# Altium PCB NFC_EEG.PcbDoc (part 1 of 3) (continued)
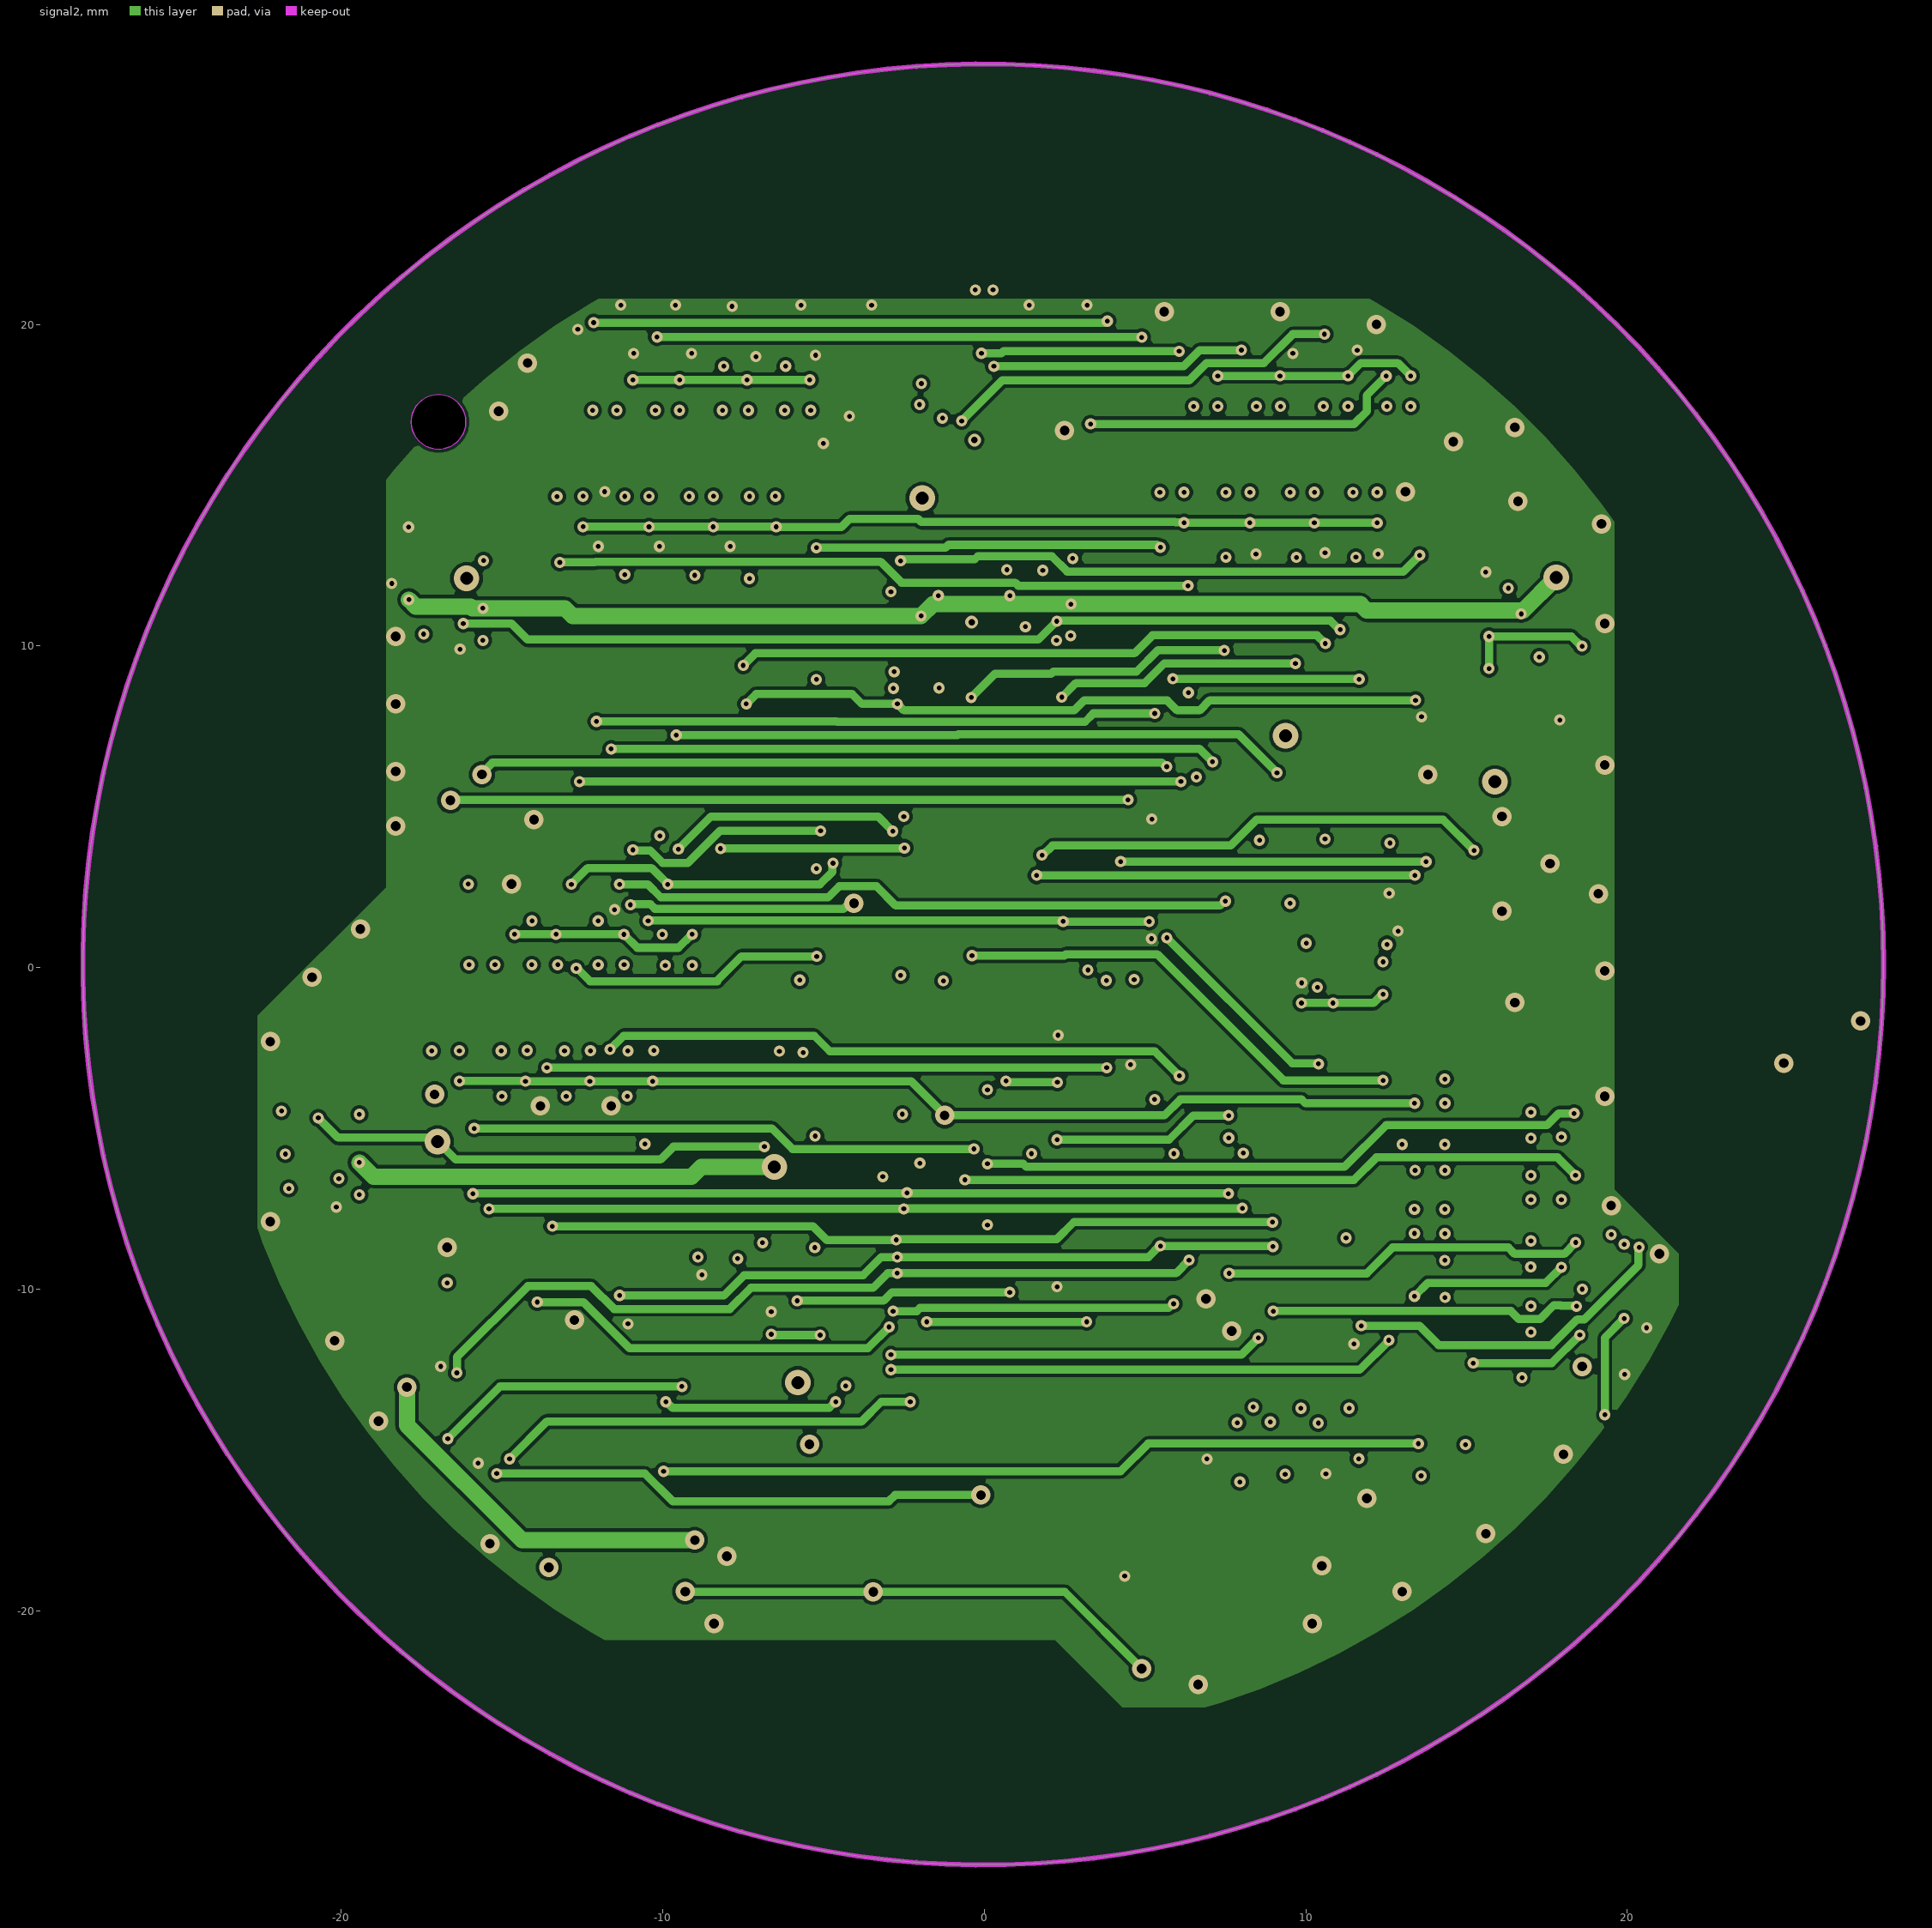
[diagram p3: signal2]
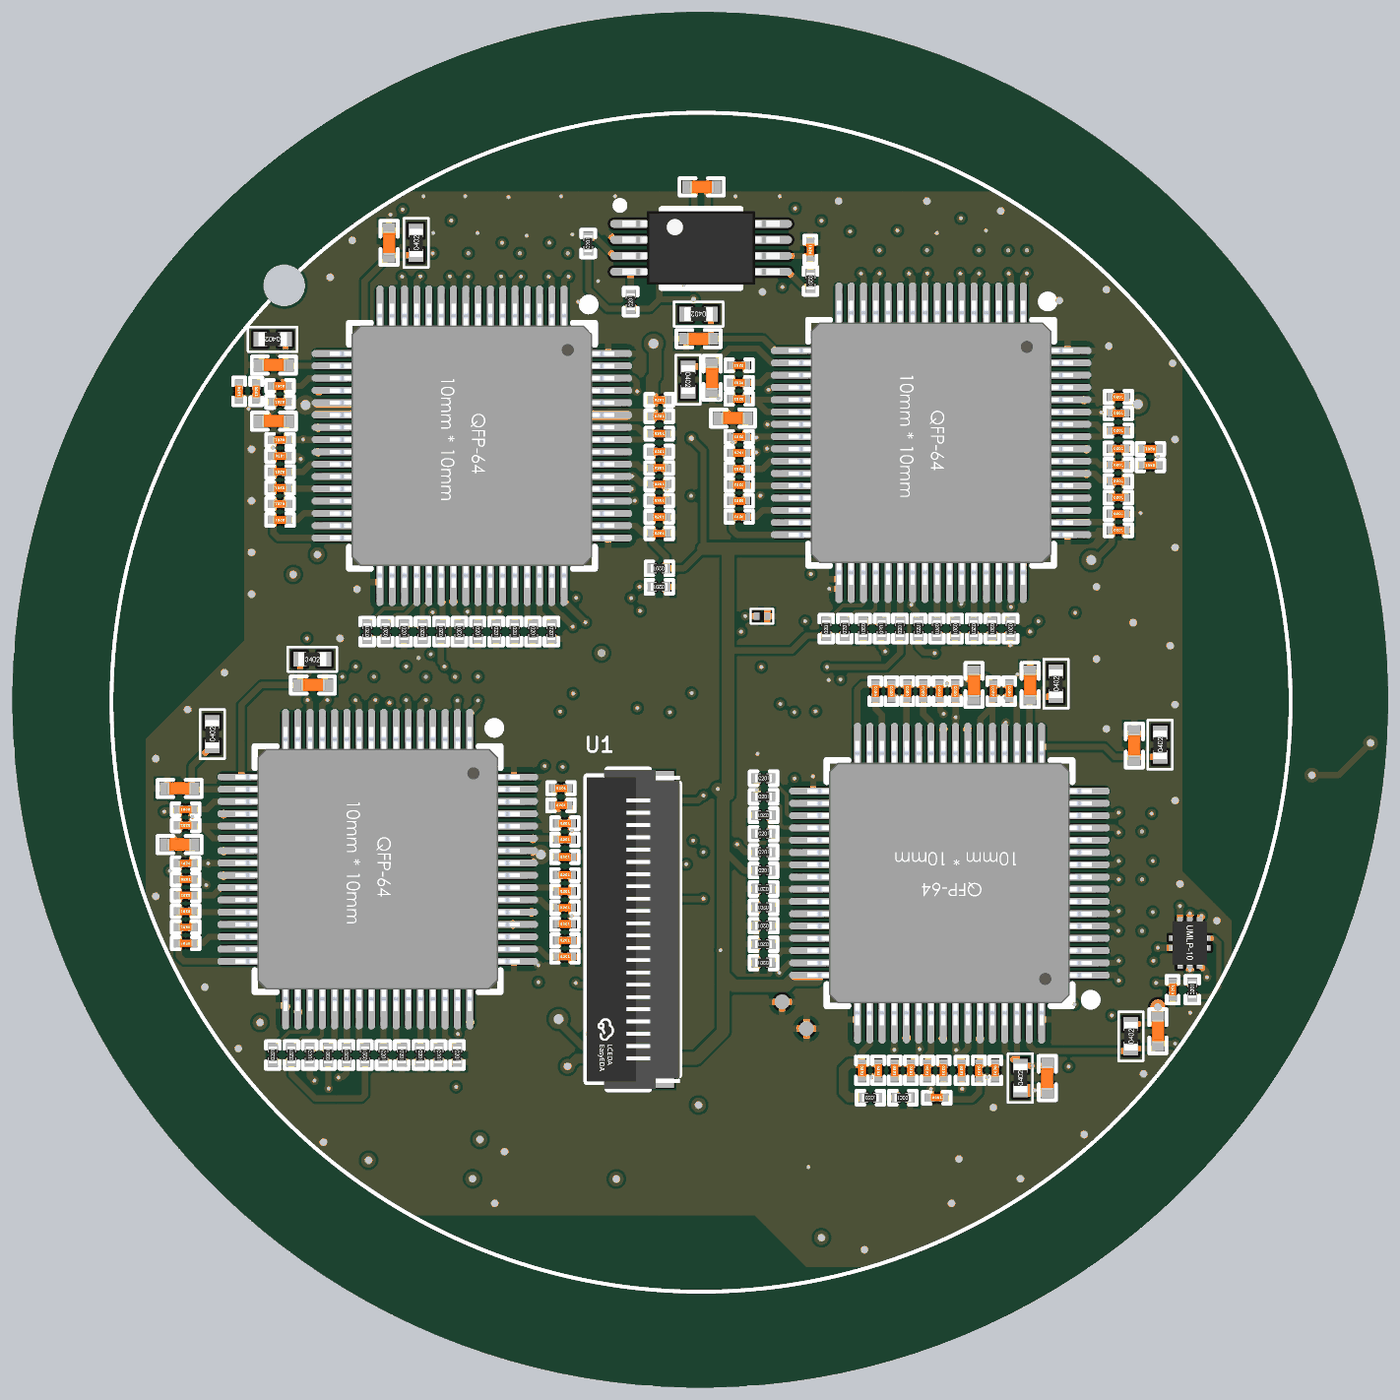
[diagram p6: 3D render of the assembled board from above, using the file's embedded part models]
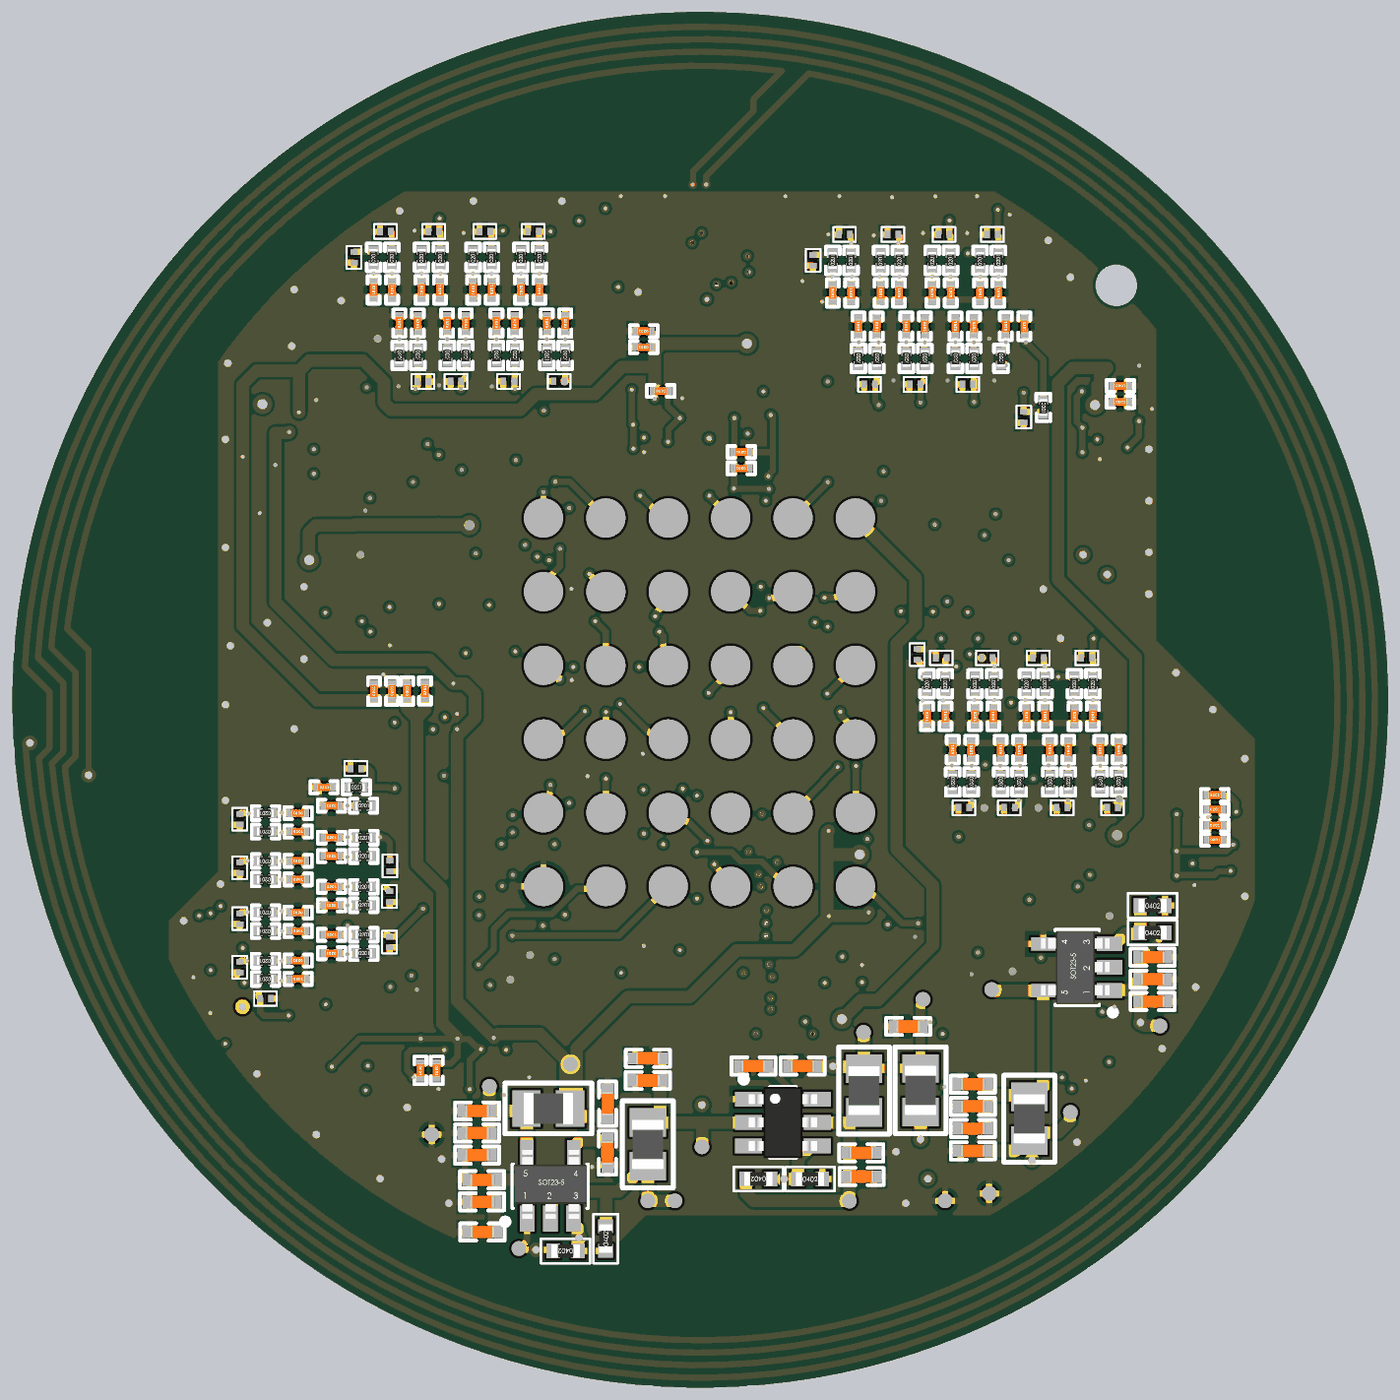
[diagram p7: 3D render of the assembled board from below, using the file's embedded part models]

## Layer stack, top to bottom
Top Solder: solder mask 0.0102, Solder Resist, Dk 3.5
Top Layer: signal copper 0.035
Dielectric 2: prepreg 0.0711, PP-006, Dk 4.1
signal1: signal copper 0.0356
Dielectric 1: dielectric 0.497, FR-4, Dk 4.8
signal2: signal copper 0.0356
Dielectric 3: prepreg 0.0711, PP-006, Dk 4.1
Bottom Layer: signal copper 0.035
Bottom Solder: solder mask 0.0102, Solder Resist, Dk 3.5

## Board outline
-28.032,0.1 ccw(c-0.032,0.1) -0.032,-27.9 ccw(c-0.032,0.1) 27.968,0.1 ccw(c-0.032,0.1) -0.032,28.1 ccw(c-0.032,0.1)
cut-out: -16.971,16.121 cw(c-16.971,16.971) -17.821,16.971 cw(c-16.971,16.971) -16.971,17.821 cw(c-16.971,16.971) -16.121,16.971 cw(c-16.971,16.971)

## Design rules (kind name [scope] priority, off if disabled: settings)
Clearance [All] p1: gap=0.102 ignorepadtopadclearanceinfootprint=FALSE
PolygonConnect [All] p1: thpad.connectstyle=Relief thpad.reliefconductorwidth=0.254 thpad.reliefentries=4 thpad.polygonreliefangle="90 Angle" thpad.airgapwidth=0.254 smdpad.connectstyle=Relief smdpad.reliefconductorwidth=0.254 smdpad.reliefentries=4 smdpad.polygonreliefangle="90 Angle" smdpad.airgapwidth=0.254 via.connectstyle=Direct via.reliefconductorwidth=0.254 via.reliefentries=4 via.polygonreliefangle="90 Angle" via.airgapwidth=0.254
RoutingVias [All] p1: holewidth=0.711 width=1.27 viastyle="Through Hole" minholewidth=0.15 minwidth=0.35 maxholewidth=0.711 maxwidth=1.27
SolderMaskExpansion [All] p1: expansion=0.102 istentingtop=FALSE
Width [All] p1: maxlimit=1 minlimit=0.152 preferedwidth=0.254 minimp=50.000000 maximp=50.000000 favimp=50.000000
30 further rules are at their usual default settings.

## Classes and differential pairs
channel class "EEG Signal Input": ADS1 ADS2 ADS3 ADS4
channel class ADS1299IPAG: ADS1 ADS2 ADS3 ADS4
net class ADS4_P[1..8]: ADS4_P1 ADS4_P2 ADS4_P3 ADS4_P4 ADS4_P5 ADS4_P6 ADS4_P7 ADS4_P8
net class ADS3_P[1..8]: ADS3_P1 ADS3_P2 ADS3_P3 ADS3_P4 ADS3_P5 ADS3_P6 ADS3_P7 ADS3_P8
net class ADS2_P[1..8]: ADS2_P1 ADS2_P2 ADS2_P3 ADS2_P4 ADS2_P5 ADS2_P6 ADS2_P7 ADS2_P8
net class ADS1_P[1..8]: ADS1_P1 ADS1_P2 ADS1_P3 ADS1_P4 ADS1_P5 ADS1_P6 ADS1_P7 ADS1_P8

## Components (designator, comment, footprint, x,y, rotation, side; value= is the part's Value field where it differs from the comment)
C17 "47pF" 0402_C 0.029,20.978 r180 top
C18 "220nF" 0201_C 4.449,18.427 r90 top
C19_ADS1 "1u" 0201_C 16.99,11.766 r0 top (schematic designator C19)
C19_ADS2 "1u" 0201_C -1.7,11.642 r0 top (schematic designator C19)
C19_ADS3 "1u" 0201_C -5.541,-5.595 r0 top (schematic designator C19)
C19_ADS4 "1u" 0201_C 11.316,-14.99 r270 top (schematic designator C19)
C20_ADS1 "100n" 0201_C 16.99,12.43 r0 top (schematic designator C20)
C20_ADS2 "100n" 0201_C -1.7,12.306 r0 top (schematic designator C20)
C20_ADS3 "100n" 0201_C -5.541,-4.931 r0 top (schematic designator C20)
C20_ADS4 "100n" 0201_C 11.98,-14.99 r270 top (schematic designator C20)
C21_ADS1 "1u" 0201_C 18.29,10.312 r180 top (schematic designator C21)
C21_ADS2 "1u" 0201_C -1.7,10.189 r0 bottom (schematic designator C21)
C21_ADS3 "1u" 0201_C -5.7,-4.2 r0 top (schematic designator C21)
C21_ADS4 "1u" 0201_C 11.362,-14.99 r270 bottom (schematic designator C21)
C22_ADS1 "100n" 0201_C 18.29,9.648 r180 top (schematic designator C22)
C22_ADS2 "100n" 0201_C -1.7,9.524 r0 bottom (schematic designator C22)
C22_ADS3 "100n" 0201_C -5.7,-3.5 r0 top (schematic designator C22)
C22_ADS4 "100n" 0201_C 10.698,-14.99 r270 bottom (schematic designator C22)
C23_ADS1 "1u" 0201_C 16.99,8.995 r0 top (schematic designator C23)
C23_ADS2 "1u" 0201_C -1.7,8.871 r0 top (schematic designator C23)
C23_ADS3 "1u" 0201_C -5.541,-8.366 r0 top (schematic designator C23)
C23_ADS4 "1u" 0201_C 8.545,-14.99 r270 top (schematic designator C23)
C24_ADS1 "100n" 0201_C 16.99,8.331 r0 top (schematic designator C24)
C24_ADS2 "100n" 0201_C -1.7,8.207 r0 top (schematic designator C24)
C24_ADS3 "100n" 0201_C -5.541,-9.03 r0 top (schematic designator C24)
C24_ADS4 "100n" 0201_C 7.881,-14.99 r270 top (schematic designator C24)
C25_ADS1 "1u" 0201_C 1.573,12.672 r180 bottom (schematic designator C25)
C25_ADS2 "1u" 0201_C -18.109,12.654 r270 top (schematic designator C25)
C25_ADS3 "1u" 0201_C -20.977,-3.779 r180 bottom (schematic designator C25)
C25_ADS4 "1u" 0201_C 12.519,0.451 r90 bottom (schematic designator C25)
C26_ADS1 "100n" 0201_C 1.55,12.35 r180 top (schematic designator C26)
C26_ADS2 "100n" 0201_C -18.804,12.655 r270 top (schematic designator C26)
C26_ADS3 "100n" 0201_C -20.981,-5.011 r180 top (schematic designator C26)
C26_ADS4 "100n" 0201_C 11.9,0.45 r90 top (schematic designator C26)
C27_ADS1 "1u" 0201_C 1.55,13.712 r180 top (schematic designator C27)
C27_ADS2 "1u" 0201_C -17.143,12.226 r180 top (schematic designator C27)
C27_ADS3 "1u" 0201_C -20.989,-5.602 r180 bottom (schematic designator C27)
C27_ADS4 "1u" 0201_C 13.251,0.447 r90 bottom (schematic designator C27)
C28_ADS1 "100n" 0201_C 1.547,13 r180 top (schematic designator C28)
C28_ADS2 "100n" 0201_C -17.143,12.876 r180 top (schematic designator C28)
C28_ADS3 "100n" 0201_C -20.984,-4.361 r180 top (schematic designator C28)
C28_ADS4 "100n" 0201_C 12.55,0.453 r90 top (schematic designator C28)
C29_ADS1 "1u" 0201_C 16.99,9.659 r0 top (schematic designator C29)
C29_ADS2 "1u" 0201_C -1.7,9.536 r0 top (schematic designator C29)
C29_ADS3 "1u" 0201_C -5.541,-7.702 r0 top (schematic designator C29)
C29_ADS4 "1u" 0201_C 9.209,-14.99 r270 top (schematic designator C29)
C30_ADS1 "100n" 0201_C 16.99,10.323 r0 top (schematic designator C30)
C30_ADS2 "100n" 0201_C -1.7,10.2 r0 top (schematic designator C30)
C30_ADS3 "100n" 0201_C -5.541,-7.038 r0 top (schematic designator C30)
C30_ADS4 "100n" 0201_C 9.873,-14.99 r270 top (schematic designator C30)
C31_ADS1 "1u" 0201_C 16.99,11.058 r0 top (schematic designator C31)
C31_ADS2 "1u" 0201_C -1.7,10.934 r0 top (schematic designator C31)
C31_ADS3 "1u" 0201_C -5.541,-6.303 r0 top (schematic designator C31)
C31_ADS4 "1u" 0201_C 10.608,-14.99 r270 top (schematic designator C31)
C32_ADS1 "1u" 0201_C 1.55,10.15 r0 top (schematic designator C32)
C32_ADS2 "1u" 0201_C -17.14,10.026 r0 top (schematic designator C32)
C32_ADS3 "1u" 0201_C -20.981,-7.211 r0 top (schematic designator C32)
C32_ADS4 "1u" 0201_C 9.7,0.45 r270 top (schematic designator C32)
C33_ADS1 "1u" 0201_C 2.271,15.105 r0 bottom (schematic designator C33)
C33_ADS2 "1u" 0201_C -17.14,12.226 r180 bottom (schematic designator C33)
C33_ADS3 "1u" 0201_C -20.981,-5.011 r180 bottom (schematic designator C33)
C33_ADS4 "1u" 0201_C 11.9,0.45 r90 bottom (schematic designator C33)
C34_ADS1 "100n" 0201_C 2.271,14.455 r0 bottom (schematic designator C34)
C34_ADS2 "100n" 0201_C -17.14,12.876 r180 bottom (schematic designator C34)
C34_ADS3 "100n" 0201_C -20.981,-4.361 r180 bottom (schematic designator C34)
C34_ADS4 "100n" 0201_C 11.171,0.463 r90 bottom (schematic designator C34)
C35_ADS1 "1u" 0201_C 16.99,7.667 r0 top (schematic designator C35)
C35_ADS2 "1u" 0201_C -1.7,7.543 r0 top (schematic designator C35)
C35_ADS3 "1u" 0201_C -5.541,-9.694 r0 top (schematic designator C35)
C35_ADS4 "1u" 0201_C 7.217,-14.99 r270 top (schematic designator C35)
C36_ADS1 "100n" 0201_C 16.99,7.003 r0 top (schematic designator C36)
C36_ADS2 "100n" 0201_C -1.7,6.879 r0 top (schematic designator C36)
C36_ADS3 "100n" 0201_C -5.541,-10.358 r0 top (schematic designator C36)
C36_ADS4 "100n" 0201_C 6.553,-14.99 r270 top (schematic designator C36)
C37_ADS1 "DNP" 0402_C -0.1,14.8 r180 top (schematic designator C37)
C37_ADS2 "DNP" 0402_C -12.7,18.7 r90 top (schematic designator C37)
C37_ADS3 "DNP" 0402_C -15.8,0.7 r0 top (schematic designator C37)
C37_ADS4 "DNP" 0402_C 17.64,-1.76 r90 top (schematic designator C37)
C38_ADS1 "DNP" 0402_C 0.453,13.209 r270 top (schematic designator C38)
C38_ADS2 "DNP" 0402_C -17.39,13.726 r180 top (schematic designator C38)
C38_ADS3 "DNP" 0402_C -21.231,-3.511 r180 top (schematic designator C38)
C38_ADS4 "DNP" 0402_C 13.4,0.7 r90 top (schematic designator C38)
C39_ADS1 "10u" 0402_C 1.299,11.565 r180 top (schematic designator C39)
C39_ADS2 "10u" 0402_C -17.391,11.441 r180 top (schematic designator C39)
C39_ADS3 "10u" 0402_C -21.232,-5.796 r180 top (schematic designator C39)
C39_ADS4 "10u" 0402_C 11.115,0.701 r90 top (schematic designator C39)
C40_ADS1 "100n" 0201_C 1.55,10.8 r180 top (schematic designator C40)
C40_ADS2 "100n" 0201_C -17.14,10.676 r180 top (schematic designator C40)
C40_ADS3 "100n" 0201_C -20.981,-6.561 r180 top (schematic designator C40)
C40_ADS4 "100n" 0201_C 10.35,0.45 r90 top (schematic designator C40)
C41_ADS1 "1u" 0201_C 1.55,9.5 r180 top (schematic designator C41)
C41_ADS2 "1u" 0201_C -17.14,9.376 r180 top (schematic designator C41)
C41_ADS3 "1u" 0201_C -20.981,-7.861 r180 top (schematic designator C41)
C41_ADS4 "1u" 0201_C 9.05,0.45 r90 top (schematic designator C41)
C42_ADS1 "DNP" 0201_C 1.55,8.2 r180 top (schematic designator C42)
C42_ADS2 "DNP" 0201_C -17.14,8.076 r180 top (schematic designator C42)
C42_ADS3 "DNP" 0201_C -20.981,-9.161 r180 top (schematic designator C42)
C42_ADS4 "DNP" 0201_C 7.75,0.45 r90 top (schematic designator C42)
C43_ADS1 "100u" 0201_C 1.55,8.85 r180 top (schematic designator C43)
C43_ADS2 "100u" 0201_C -17.14,8.726 r180 top (schematic designator C43)
C43_ADS3 "100u" 0201_C -20.981,-8.511 r180 top (schematic designator C43)
C43_ADS4 "100u" 0201_C 8.4,0.45 r90 top (schematic designator C43)
C44_ADS1 "1u" 0201_C 1.55,7.55 r180 top (schematic designator C44)
C44_ADS2 "1u" 0201_C -17.14,7.426 r180 top (schematic designator C44)
C44_ADS3 "1u" 0201_C -20.981,-9.811 r180 top (schematic designator C44)
C44_ADS4 "1u" 0201_C 7.1,0.45 r90 top (schematic designator C44)
C45 "4.7n" 0201_C 19.2,-11.7 r90 top
C46_ADS1 "4.7n" 0201_C 12.515,16.79 r90 bottom (schematic designator C46)
C46_ADS2 "4.7n" 0201_C -6.175,16.667 r90 bottom (schematic designator C46)
C46_ADS3 "4.7n" 0201_C -10.016,-0.571 r90 bottom (schematic designator C46)
C46_ADS4 "4.7n" 0201_C 16.34,-10.515 r0 bottom (schematic designator C46)
C47_ADS1 "4.7n" 0201_C 13.265,16.787 r270 bottom (schematic designator C47)
C47_ADS2 "4.7n" 0201_C -5.425,16.663 r270 bottom (schematic designator C47)
C47_ADS3 "4.7n" 0201_C -9.266,-0.574 r270 bottom (schematic designator C47)
C47_ADS4 "4.7n" 0201_C 16.337,-11.265 r180 bottom (schematic designator C47)
C48_ADS1 "4.7n" 0201_C 11.469,15.427 r270 bottom (schematic designator C48)
C48_ADS2 "4.7n" 0201_C -7.22,15.303 r270 bottom (schematic designator C48)
C48_ADS3 "4.7n" 0201_C -11.062,-1.934 r270 bottom (schematic designator C48)
C48_ADS4 "4.7n" 0201_C 14.977,-9.469 r180 bottom (schematic designator C48)
C49_ADS1 "4.7n" 0201_C 12.219,15.43 r90 bottom (schematic designator C49)
C49_ADS2 "4.7n" 0201_C -6.47,15.306 r90 bottom (schematic designator C49)
C49_ADS3 "4.7n" 0201_C -10.312,-1.931 r90 bottom (schematic designator C49)
C49_ADS4 "4.7n" 0201_C 14.98,-10.219 r0 bottom (schematic designator C49)
C50_ADS1 "4.7n" 0201_C 10.565,16.79 r90 bottom (schematic designator C50)
C50_ADS2 "4.7n" 0201_C -8.125,16.667 r90 bottom (schematic designator C50)
C50_ADS3 "4.7n" 0201_C -11.966,-0.571 r90 bottom (schematic designator C50)
C50_ADS4 "4.7n" 0201_C 16.34,-8.565 r0 bottom (schematic designator C50)
C51_ADS1 "4.7n" 0201_C 11.315,16.787 r270 bottom (schematic designator C51)
C51_ADS2 "4.7n" 0201_C -7.375,16.663 r270 bottom (schematic designator C51)
C51_ADS3 "4.7n" 0201_C -11.216,-0.574 r270 bottom (schematic designator C51)
C51_ADS4 "4.7n" 0201_C 16.337,-9.315 r180 bottom (schematic designator C51)
C52_ADS1 "4.7n" 0201_C 9.515,15.427 r270 bottom (schematic designator C52)
C52_ADS2 "4.7n" 0201_C -9.175,15.303 r270 bottom (schematic designator C52)
C52_ADS3 "4.7n" 0201_C -13.016,-1.934 r270 bottom (schematic designator C52)
C52_ADS4 "4.7n" 0201_C 14.977,-7.515 r180 bottom (schematic designator C52)
C53_ADS1 "4.7n" 0201_C 10.271,15.43 r90 bottom (schematic designator C53)
C53_ADS2 "4.7n" 0201_C -8.419,15.306 r90 bottom (schematic designator C53)
C53_ADS3 "4.7n" 0201_C -12.26,-1.931 r90 bottom (schematic designator C53)
C53_ADS4 "4.7n" 0201_C 14.98,-8.271 r0 bottom (schematic designator C53)
C54_ADS1 "4.7n" 0201_C 8.458,16.79 r90 bottom (schematic designator C54)
C54_ADS2 "4.7n" 0201_C -10.232,16.667 r90 bottom (schematic designator C54)
C54_ADS3 "4.7n" 0201_C -14.073,-0.571 r90 bottom (schematic designator C54)
C54_ADS4 "4.7n" 0201_C 16.34,-6.458 r0 bottom (schematic designator C54)
C55_ADS1 "4.7n" 0201_C 9.215,16.787 r270 bottom (schematic designator C55)
C55_ADS2 "4.7n" 0201_C -9.475,16.663 r270 bottom (schematic designator C55)
C55_ADS3 "4.7n" 0201_C -13.316,-0.574 r270 bottom (schematic designator C55)
C55_ADS4 "4.7n" 0201_C 16.337,-7.215 r180 bottom (schematic designator C55)
C56_ADS1 "4.7n" 0201_C 7.515,15.427 r270 bottom (schematic designator C56)
C56_ADS2 "4.7n" 0201_C -11.175,15.303 r270 bottom (schematic designator C56)
C56_ADS3 "4.7n" 0201_C -15.016,-1.934 r270 bottom (schematic designator C56)
C56_ADS4 "4.7n" 0201_C 14.977,-5.515 r180 bottom (schematic designator C56)
C57_ADS1 "4.7n" 0201_C 8.265,15.43 r90 bottom (schematic designator C57)